# Altium PCB GameBoard_V1I1.PcbDoc (part 15 of 22)
Units mil, origin at the board's own origin, x right, y up, seen from the top; angles counter-clockwise.
Board outline 7165.35 x 2814.96 mil, 12 copper layers (L1, L2, L3, L4, L5 (PWR), L6 (PWR), L7 (PWR), L8 (PWR), L9, L10, L11, L12), stack 61.575 mil thick; 1551 components, 1072 nets, 5467 pads, 3785 vias.
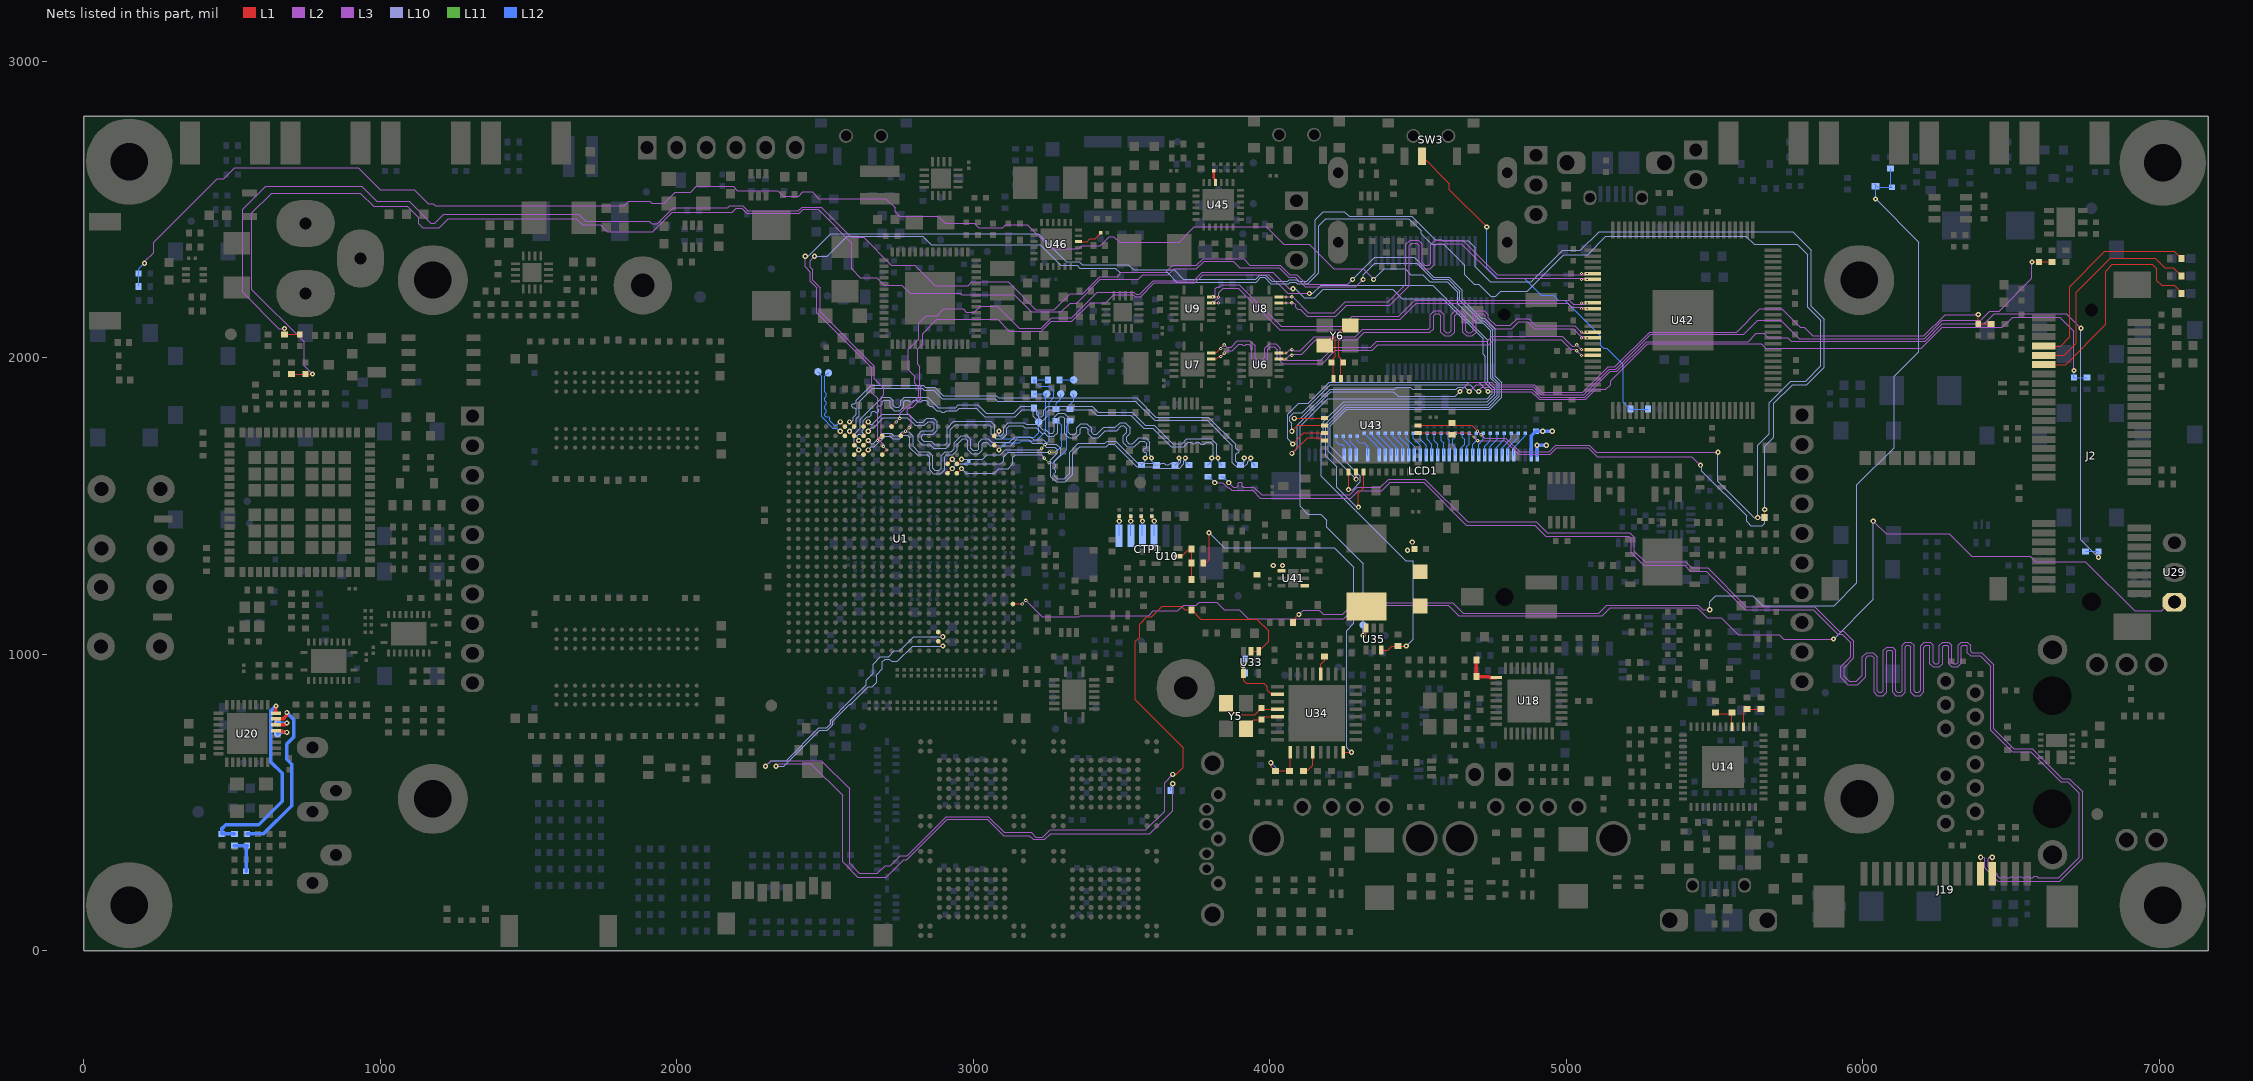
[diagram p25: the nets of this part, all layers, seen from the top]

## Via types
v1: diameter 17.72, hole 7.87, L1 to L12, 1935 vias
v2: diameter 17.72, hole 7.87, L1 to L12, tented both sides, 995 vias
v3: diameter 10.63, hole 3.94, L1 to L2, 334 vias
v4: diameter 11.81, hole 3.94, L2 to L3, 334 vias
v5: diameter 10.63, hole 3.94, L11 to L12, 94 vias
v6: diameter 11.81, hole 3.94, L10 to L11, 93 vias

## Nets (pads, with @x,y where several pads share a name; then routed paths per layer and width w, separated by ;. In a path a pad name is that pad's centre, name@x,y a point inside that pad or via, vN(x,y) a via of type N, cw(c..) or ccw(c..) an arc to the next point about the centre after c; other vN are vias at no path point) (continued)
I2C3_SCL: R64.1 R577.1 U1.R4 U43.16 | length 7148.1
  L1 w3.15: U1.R4@2692.91,1673.23 v3(2708.66,1688.98) ; U43.16@4500,1746.06 4675.2,1746.06 v3(4688.98,1732.28) ; R577.1@5669.29,1460.63 v1(5669.29,1488.19)
  L3 w3.15: v2(2433.07,2342.52) 2433.07,2306.1 2450.58,2288.6 2450.58,2258.08 2471.95,2236.71 2471.95,2151.29 2657.48,1965.76 2657.48,1882.1 2677.17,1862.41 2677.17,1727.39 2696.85,1707.71 v4(2696.85,1700.79) ; v4(4700.79,1720.47) 4793.31,1720.47 4839.57,1674.21 4945.87,1674.21 4968.5,1696.85 5074.96,1696.85 5105.47,1666.34 5424.21,1666.34 v1(5452.76,1637.8)
  L10 w3.15: v2(2433.07,2342.52) 2443.69,2342.52 2519.48,2418.31 3219.49,2418.31 3313.98,2323.82 3357.28,2323.82 3367.13,2313.98 3523.62,2313.98 3541.34,2296.26 3677.17,2296.26 3708.66,2264.76 3953.22,2264.76 3967,2278.54 3985.75,2278.54 4006.42,2257.87 4061.18,2257.87 4066.1,2262.8 4091.38,2262.8 4096.3,2257.87 4125.21,2257.87 4154.14,2286.8 4154.14,2465.16 4181.11,2492.13 4251.96,2492.13 4267.72,2476.38 4479.12,2476.38 4557.86,2397.64 4578.74,2397.64 4582.68,2393.7 4669.29,2393.7 4692.91,2370.08 4692.91,2307.09 4744.09,2255.91 4882.41,2255.91 4988.71,2362.2 5047.61,2362.2 5110.6,2425.2 5763.78,2425.2 5826.77,2362.2 5826.77,2173.23 5870.08,2129.92 5870.08,1968.5 5811.02,1909.45 5763.78,1909.45 5700.79,1846.46 5700.79,1732.28 5669.29,1700.79 v1(5669.29,1488.19) 5669.29,1440.94 5661.42,1433.07 5623.24,1433.07 5608.48,1447.83 5608.48,1466.33 5457.68,1617.13 5457.68,1632.87 v1(5452.76,1637.8)
  L2 w3.15: v4(2696.85,1700.79) v3(2708.66,1688.98) ; v3(4688.98,1732.28) v4(4700.79,1720.47)
I2C3_SDA: R63.1 R576.1 U1.R2 U43.17 | length 7042.5
  L1 w3.15: v3(2677.17,1720.47) U1.R2@2692.91,1736.22 ; U43.17@4500,1771.65 4681.1,1771.65 v3(4700.79,1751.97)
  L3 w3.15: v2(2464.57,2342.52) 2449.8,2327.76 2449.8,2304.91 2458.45,2296.26 2458.45,2261.35 2483.27,2236.53 2483.27,2154.53 2666.34,1971.46 2666.34,1928.15 2697.83,1896.65 2697.83,1875 2688.98,1866.14 v4(2688.98,1732.28) ; v4(4712.6,1740.16) 4724.41,1728.35 4796.57,1728.35 4842.83,1682.09 4942.45,1682.09 4965.09,1704.72 5078.22,1704.72 5101.84,1681.1 v1(5511.81,1681.1)
  L10 w3.15: v2(2464.57,2342.52) 2507.87,2342.52 2574.8,2409.45 2829.72,2409.45 2858.27,2380.91 3225.39,2380.91 3295.28,2311.02 3351.07,2311.02 3359.93,2302.17 3479.33,2302.17 3494.09,2287.4 3653.54,2287.4 3686.02,2254.92 3954.51,2254.92 3970.26,2270.67 3982.49,2270.67 4003.16,2250 4064.44,2250 4069.36,2254.92 4088.12,2254.92 4093.04,2250 4128.47,2250 4165.35,2286.88 4165.35,2444.88 4188.98,2468.5 4469.7,2468.5 4510.83,2427.38 4510.83,2418.31 4547.24,2381.89 4586.61,2381.89 4657.48,2311.02 4657.48,2280.2 4689.65,2248.03 4704.72,2248.03 4745.29,2207.47 4762.59,2207.47 4778.54,2223.43 4867.8,2223.43 4991.97,2347.6 5072.01,2347.6 5133.86,2409.45 5606.3,2409.45 5633.86,2381.89 5779.53,2381.89 5813.98,2347.44 5813.98,2170.28 5858.27,2125.98 5858.27,1972.44 5807.09,1921.26 5757.87,1921.26 5685.04,1848.43 5685.04,1744.09 5645.67,1704.72 v1(5645.67,1460.63) 5633.86,1460.63 5511.81,1582.68 v1(5511.81,1681.1)
  L2 w3.15: v3(2677.17,1720.47) v4(2688.98,1732.28) ; v3(4700.79,1751.97) v4(4712.6,1740.16)
  L12 w3.15: v1(5645.67,1460.63) R576.1@5669.29,1460.63
ILIM1: R470.2 U45.10 | length 43.2
  L1 w7.87: R470.2@3811.02,2631.3 3811.02,2606.3 3816.93,2600.39 U45.10@3816.93,2590.55
ILIM2: R492.2 U46.10 | length 88.4
  L1 w3.15: U46.10@3354.33,2391.73 3383.86,2391.73 3393.7,2401.57 3410.83,2401.57 R492.2@3430.51,2421.26
IR_RCV: U1.A20 U29.1 | length 4522.8
  L1 w3.15: U1.A20@3133.86,1169.29 v3(3165.35,1169.29)
  L3 w3.15: v4(3177.17,1181.1) 3232.28,1125.98 3356.36,1125.98 3360.29,1129.92 3425.87,1129.92 3592.02,1129.92 3607.77,1145.67 3689.49,1145.67 3709.18,1165.35 3751.97,1165.35 3761.79,1175.18 3821.56,1175.18 3847.13,1149.61 3896.44,1149.61 3926.96,1119.09 4249.69,1119.09 4295.95,1165.35 4602.36,1165.35 4637.8,1129.92 5122.05,1129.92 5148.62,1156.5 5441.73,1156.5 5476.18,1122.05 5523.62,1122.05 5580.11,1065.56 5706.1,1065.56 5706.48,1065.94 5718.71,1065.94 5733.48,1051.18 v1(5901.57,1051.18) ; v1(6035.43,1448.82) 6078.74,1405.51 6291.34,1405.51 6367.13,1329.72 6565.17,1329.72 6582.89,1312.01 6750.98,1312.01 6917.32,1145.67 7009.45,1145.67 U29.1@7039.37,1175.59
  L10 w3.15: v1(5901.57,1051.18) 6035.43,1185.04 v1(6035.43,1448.82)
  L2 w3.15: v3(3165.35,1169.29) v4(3177.17,1181.1)
JTAG_MOD: R103.2 U1.H6 | length 87.7
  L1 w3.15: U1.H6@2913.39,1610.24 v2(2929.13,1625.98)
  L12 w3.15: v2(2929.13,1625.98) 2944.88,1641.73 2975,1641.73 R103.2@2984.25,1650.98
JTAG_nTRST: R104.1 TP4.1 U1.C2 | length 273.3
  L1 w3.15: U1.C2@3070.87,1736.22 v1(3086.61,1751.97)
  L12 w3.15: v1(3086.61,1751.97) 3086.61,1739.39 3100,1726 3144.72,1726 3151,1732.28 3205.92,1732.28 3220.47,1746.84 TP4.1@3220.47,1783.46 3220.47,1814.96 R104.1@3204.72,1830.71
JTAG_TCK: R111.2 TP7.1 | length 59.3
  L12 w3.15: R111.2@3279.53,1826.77 3279.53,1846.46 3295.28,1862.2 3295.28,1874.02 TP7.1@3291.34,1877.95
JTAG_TCK_R: R111.1 U1.H5 | length 522.7
  L1 w3.15: U1.H5@2913.39,1641.73 v2(2929.13,1657.48)
  L10 w3.15: v2(2929.13,1657.48) 2943.9,1642.72 3092.73,1642.72 3102.36,1652.35 3102.36,1665.35 3118.11,1681.1 v6(3256.89,1681.1)
  L11 w3.15: v6(3256.89,1681.1) v5(3278.61,1681.1)
  L12 w3.15: v5(3278.61,1681.1) 3299.21,1701.7 3299.21,1771.65 R111.1@3283.46,1787.4
JTAG_TDI: R109.2 TP5.1 | length 47.2
  L12 w3.15: R109.2@3291.34,1925.2 TP5.1@3338.58,1925.2
JTAG_TDI_R: R105.1 R109.1 U1.G5 | length 650.6
  L1 w3.15: U1.G5@2944.88,1641.73 v2(2960.63,1657.48)
  L10 w3.15: v2(2960.63,1657.48) 3031.5,1657.48 3047.24,1673.23 3091.74,1673.23 3107.49,1688.98 3224.41,1688.98 v6(3230.32,1694.88)
  L11 w3.15: v6(3230.32,1694.88) v5(3243.11,1707.68)
  L12 w3.15: v5(3243.11,1707.68) 3255.91,1720.47 3255.91,1850.39 3271.65,1866.14 3271.65,1888.78 3256.89,1903.54 3221.46,1903.54 3204.72,1920.28 R105.1@3204.72,1925.2 R109.1@3251.97,1925.2
JTAG_TDO: R67.2 TP8.1 | length 57.7
  L12 w3.15: R67.2@3326.77,1826.77 3326.77,1842.52 3338.58,1854.33 3338.58,1874.02 TP8.1@3334.65,1877.95
JTAG_TDO_R: R67.1 U1.G6 | length 554.8
  L1 w3.15: U1.G6@2944.88,1610.24 v2(2960.63,1625.98)
  L10 w3.15: v2(2960.63,1625.98) 2976.38,1610.24 3070.87,1610.24 3086.61,1625.98 3118.11,1625.98 3133.86,1641.73 3133.86,1663.39 3142.72,1672.24 3229.33,1672.24 v6(3240.16,1661.42)
  L11 w3.15: v6(3240.16,1661.42) v5(3255.91,1645.67)
  L12 w3.15: v5(3255.91,1645.67) 3270.67,1645.67 3314.96,1689.96 3314.96,1771.65 R67.1@3330.71,1787.4
JTAG_TMS: R106.1 TP6.1 U1.C3 | length 376.8
  L1 w3.15: U1.C3@3070.87,1704.73 v1(3086.61,1688.98)
  L12 w3.15: v1(3086.61,1688.98) 3110.64,1713 3156,1713 3163.47,1720.47 3212.6,1720.47 3244.09,1751.97 3244.09,1874.02 TP6.1@3248.03,1877.95 R106.1@3204.72,1877.95
LCD_B0: LCD1.21 R331.2 | length 84
  L12 w3.15: R331.2@4484.25,1745.47 4484.25,1728.35 4507.87,1704.72 LCD1.21@4507.87,1671.26
LCD_B1: LCD1.22 R332.2 | length 85.6
  L12 w3.15: R332.2@4460.63,1745.47 4460.63,1728.35 4488.19,1700.79 LCD1.22@4488.19,1671.26
LCD_B2: LCD1.23 R333.2 | length 87.3
  L12 w3.15: R333.2@4437.01,1745.47 4437.01,1732.28 4468.5,1700.79 LCD1.23@4468.5,1671.26
LCD_B3: LCD1.24 R334.2 | length 88.9
  L12 w3.15: R334.2@4413.39,1745.47 4413.39,1736.22 4448.82,1700.79 LCD1.24@4448.82,1671.26
LCD_B4: LCD1.25 R335.2 | length 90.5
  L12 w3.15: R335.2@4389.76,1745.47 4389.76,1736.22 4429.13,1696.85 LCD1.25@4429.13,1671.26
LCD_B5: LCD1.26 R336.2 | length 92.2
  L12 w3.15: R336.2@4366.14,1745.47 4366.14,1736.22 4409.45,1692.91 LCD1.26@4409.45,1671.26
LCD_B6: LCD1.27 R337.2 | length 93.8
  L12 w3.15: R337.2@4342.52,1745.47 4342.52,1740.16 4389.76,1692.91 LCD1.27@4389.76,1671.26
LCD_B7: LCD1.28 R338.2 | length 95.4
  L12 w3.15: R338.2@4318.9,1745.47 4370.08,1694.29 LCD1.28@4370.08,1671.26
LCD_CTP_INT#: CTP1.5 R365.1 R371.2 | length 83.5
  L1 w3.15: v1(3531.5,1448.82) R365.1@3531.5,1465.94
  L12 w3.15: CTP1.5@3531.5,1399.61 v1(3531.5,1448.82) R371.2@3531.5,1465.94
LCD_CTP_RST#: CTP1.6 R372.2 R373.2 | length 83.5
  L1 w3.15: v1(3492.13,1448.82) R373.2@3492.13,1465.94
  L12 w3.15: CTP1.6@3492.13,1399.61 3492.13,1455.51 R372.2@3492.13,1465.94
LCD_CTP_SCL: CTP1.3 R367.1 R369.2 | length 96.7
  L1 w3.15: R367.1@3602.36,1465.94 3602.36,1456.69 v1(3610.24,1448.82)
  L12 w3.15: R369.2@3602.36,1465.94 3602.36,1456.69 v1(3610.24,1448.82) ; CTP1.3@3610.24,1399.61 v1(3610.24,1448.82) ; v1@3610.24,1455.51 v1(3610.24,1448.82)
LCD_CTP_SDA: CTP1.4 R366.1 R370.2 | length 93.4
  L1 w3.15: R366.1@3566.93,1465.94 3566.93,1452.76 v1(3570.87,1448.82)
  L12 w3.15: R370.2@3566.93,1465.94 3566.93,1452.76 v1(3570.87,1448.82) ; CTP1.4@3570.87,1399.61 v1(3570.87,1448.82) ; v1@3570.87,1455.51 v1(3570.87,1448.82)
LCD_DE: LCD1.34 R361.2 | length 82.1
  L12 w3.15: R361.2@4224.41,1735.04 4224.41,1716.54 4232.28,1708.66 4244.09,1708.66 4251.97,1700.79 LCD1.34@4251.97,1671.26
LCD_G0: LCD1.13 R339.2 | length 77.5
  L12 w3.15: LCD1.13@4665.35,1671.26 4665.35,1700.79 4673.23,1708.66 R339.2@4673.23,1745.47
LCD_G1: LCD1.14 R340.2 | length 82.4
  L12 w3.15: LCD1.14@4645.67,1671.26 4645.67,1695.87 4657.48,1707.68 4657.48,1724.41 4649.61,1732.28 R340.2@4649.61,1745.47
LCD_G2: LCD1.15 R341.2 | length 80.7
  L12 w3.15: LCD1.15@4625.98,1671.26 4625.98,1696.85 4618.11,1704.72 4618.11,1724.41 4625.98,1732.28 R341.2@4625.98,1745.47
LCD_G3: LCD1.16 R343.2 | length 75.8
  L12 w3.15: R343.2@4602.36,1745.47 4602.36,1724.41 4606.3,1720.47 LCD1.16@4606.3,1671.26
LCD_G4: LCD1.17 R344.2 | length 77.5
  L12 w3.15: R344.2@4578.74,1745.47 4578.74,1720.47 4586.61,1712.6 LCD1.17@4586.61,1671.26
LCD_G5: LCD1.18 R346.2 | length 79.1
  L12 w3.15: R346.2@4555.12,1745.47 4555.12,1720.47 4566.93,1708.66 LCD1.18@4566.93,1671.26
LCD_G6: LCD1.19 R347.2 | length 80.7
  L12 w3.15: R347.2@4531.5,1745.47 4531.5,1724.41 4547.24,1708.66 LCD1.19@4547.24,1671.26
LCD_G7: LCD1.20 R349.2 | length 82.4
  L12 w3.15: R349.2@4507.87,1745.47 4507.87,1724.41 4527.56,1704.72 LCD1.20@4527.56,1671.26
LCD_HDMI_CLK_N: U7.12 U42.94 | length 1497.8
  L1 w3.35: U7.12@3803.15,1996.06 3819.88,1996.06 3827.76,2003.94 v3(3834.65,2003.94) ; v3(5051.18,2007.87) U42.94@5089.57,2007.87
  L3 w3.35: v4(3846.46,2015.75) 3854.72,2024.02 3874.04,2024.02 3895.7,2045.67 3905.51,2045.67 3908.86,2042.32 3916.93,2042.32 3920.28,2045.67 3928.74,2045.67 3939.37,2035.04 3939.37,1996.09 3956.72,1978.74 3976.35,1978.74 3994,1996.38 3994,2027.88 4002.28,2036.16 4016,2036.16 4024.61,2027.56 4024.61,1999.02 4043.31,1980.31 4177.01,1980.31 4221.05,2024.35 4345.22,2024.35 4364.96,2044.09 4738.04,2044.09 4754.96,2061.02 4982.44,2061.02 5015.51,2027.95 5029.24,2027.95 5033.57,2023.62 v4(5035.43,2023.62)
  L2 w3.15: v3(3834.65,2003.94) v4(3846.46,2015.75) ; v4(5035.43,2023.62) v3(5051.18,2007.87)
LCD_HDMI_CLK_P: U7.13 U42.93 | length 1498.3
  L1 w3.35: U7.13@3803.15,2015.75 3805.12,2017.72 3820.87,2017.72 v3(3834.65,2031.5) ; v3(5051.18,2027.56) U42.93@5089.57,2027.56
  L3 w3.35: v4(3846.46,2043.31) 3854.72,2035.04 3869.48,2035.04 3891.13,2056.69 3933.31,2056.69 3950.39,2039.61 3950.39,2000.65 3961.28,1989.76 3971.79,1989.76 3982.97,2000.95 3982.97,2032.44 3997.72,2047.19 4020.57,2047.19 4035.63,2032.13 4035.63,2003.58 4047.87,1991.34 4172.44,1991.34 4216.48,2035.38 4340.66,2035.38 4360.4,2055.12 4733.47,2055.12 4750.4,2072.05 4987.01,2072.05 5020.08,2038.98 5029.24,2038.98 5033.57,2043.31 v4(5035.43,2043.31)
  L2 w3.15: v3(3834.65,2031.5) v4(3846.46,2043.31) ; v4(5035.43,2043.31) v3(5051.18,2027.56)
LCD_HDMI_D0_N: U6.12 U42.91 | length 1496.8
  L1 w3.35: U6.12@4031.5,1996.06 v3(4055.12,1996.06) ; v3(5051.18,2066.93) U42.91@5089.57,2066.93
  L3 w3.35: v4(4074.8,2007.87) 4076.66,2007.87 4081,2012.2 4107.81,2012.2 4155.45,2059.84 4293.11,2059.84 4318.31,2085.04 4539.35,2085.04 4552.76,2098.45 4552.76,2141.08 4559.71,2148.03 4570.21,2148.03 4577.17,2141.08 4577.17,2086.64 4590.57,2073.23 4610.21,2073.23 4623.62,2086.64 4623.62,2141.08 4630.57,2148.03 4643.36,2148.03 4650.31,2141.08 4650.31,2086.64 4663.72,2073.23 4683.36,2073.23 4696.77,2086.64 4696.77,2141.08 4703.72,2148.03 4719.82,2148.03 4726.77,2141.08 4726.77,2128.54 4757.48,2097.83 4816.6,2097.83 4839.53,2120.77 4869.81,2120.77 4891.07,2099.51 4893.33,2097.24 5023.98,2097.24 5049.57,2071.65 5066.14,2071.65 v4(5070.87,2066.93)
  L2 w3.15: v3(4055.12,1996.06) 4066.93,2007.87 v4(4074.8,2007.87) ; v3(5051.18,2066.93) v4(5070.87,2066.93)
LCD_HDMI_D0_P: U6.13 U42.90 | length 1496.5
  L1 w3.35: U6.13@4031.5,2015.75 v3(4055.12,2015.75) ; v3(5051.18,2086.61) U42.90@5089.57,2086.61
  L3 w3.35: v4(4074.8,2027.56) 4076.67,2027.56 4081,2023.23 4103.24,2023.23 4150.88,2070.87 4288.54,2070.87 4313.74,2096.06 4534.78,2096.06 4541.73,2103.01 4541.73,2145.64 4555.14,2159.05 4574.78,2159.05 4588.19,2145.64 4588.19,2091.2 4595.14,2084.25 4605.65,2084.25 4612.6,2091.2 4612.6,2145.64 4626.01,2159.05 4647.92,2159.05 4661.33,2145.64 4661.33,2091.2 4668.28,2084.25 4678.79,2084.25 4685.74,2091.2 4685.74,2145.64 4699.15,2159.05 4724.39,2159.05 4737.8,2145.64 4737.8,2133.11 4762.05,2108.86 4812.03,2108.86 4834.96,2131.79 4874.37,2131.79 4897.9,2108.27 5028.54,2108.27 5054.13,2082.68 5066.93,2082.68 v4(5070.87,2086.61)
  L2 w3.15: v3(4055.12,2015.75) 4066.93,2027.56 v4(4074.8,2027.56) ; v3(5051.18,2086.61) v4(5070.87,2086.61)
LCD_HDMI_D1_N: U9.12 U42.86 | length 1497.4
  L1 w3.35: U9.12@3803.15,2185.04 v3(3826.77,2185.04) ; v3(5051.18,2165.35) U42.86@5089.57,2165.35
  L3 w3.35: v4(3807.09,2185.04) 3808.82,2185.04 3827.36,2203.58 3827.36,2219.51 3842.79,2234.94 3893.43,2234.94 4033.88,2094.49 4249.02,2094.49 4283.66,2129.13 4440.16,2129.13 4494.19,2183.17 5005.81,2183.17 5019.29,2169.69 5064.67,2169.69 5069,2165.35 v4(5070.87,2165.35)
  L2 w3.15: v4(3807.09,2185.04) v3(3826.77,2185.04) ; v3(5051.18,2165.35) v4(5070.87,2165.35)
LCD_HDMI_D1_P: U9.13 U42.85 | length 1495.5
  L1 w3.35: U9.13@3803.15,2204.72 v3(3826.77,2204.72) ; v3(5051.18,2185.04) U42.85@5089.57,2185.04
  L3 w3.35: v4(3807.09,2204.72) 3816.34,2213.98 3816.34,2232.68 3820.87,2237.2 3829.47,2237.2 3838.23,2245.96 3897.99,2245.96 4038.45,2105.51 4244.45,2105.51 4279.1,2140.16 4435.59,2140.16 4489.63,2194.19 5010.37,2194.19 5023.86,2180.71 5064.67,2180.71 5069,2185.04 v4(5070.87,2185.04)
  L2 w3.15: v4(3807.09,2204.72) v3(3826.77,2204.72) ; v3(5051.18,2185.04) v4(5070.87,2185.04)
LCD_HDMI_D2_N: U8.12 U42.81 | length 1494.7
  L1 w3.35: U8.12@4031.5,2185.04 v3(4055.12,2185.04) ; v3(5051.18,2263.78) U42.81@5089.57,2263.78
  L3 w3.35: v4(4074.8,2185.04) 4076.02,2183.82 4082.34,2183.82 4088.3,2177.87 4088.3,2170.56 4095.05,2163.8 4102.36,2163.8 4126.01,2140.16 4222.84,2140.16 4259.84,2177.17 4404.37,2177.17 4470.08,2242.87 4470.08,2377.72 4478.19,2385.83 4496.06,2385.83 4503.94,2377.95 4503.94,2314.96 4518.41,2300.49 4540.65,2300.49 4554.33,2314.17 4554.33,2376.18 4562.99,2384.84 4646.65,2384.84 4763.39,2268.11 5064.67,2268.11 5069,2263.78 v4(5070.87,2263.78)
  L2 w3.15: v3(4055.12,2185.04) v4(4074.8,2185.04) ; v3(5051.18,2263.78) v4(5070.87,2263.78)
LCD_HDMI_D2_P: U8.13 U42.80 | length 1494
  L1 w3.35: U8.13@4031.5,2204.72 v3(4055.12,2204.72) ; v3(5051.18,2283.46) U42.80@5089.57,2283.46
  L3 w3.35: v4(4074.8,2204.72) 4077.03,2204.72 4130.57,2151.18 4218.27,2151.18 4255.28,2188.19 4399.8,2188.19 4459.06,2247.44 4459.06,2382.28 4473.62,2396.85 4500.63,2396.85 4514.96,2382.52 4514.96,2319.53 4522.97,2311.52 4536.08,2311.52 4543.31,2318.74 4543.31,2380.75 4558.43,2395.87 4651.22,2395.87 4767.95,2279.13 5064.67,2279.13 5069,2283.46 v4(5070.87,2283.46)
  L2 w3.15: v3(4055.12,2204.72) v4(4074.8,2204.72) ; v3(5051.18,2283.46) v4(5070.87,2283.46)
LCD_HSYNC: LCD1.32 R363.2 | length 71.9
  L12 w3.15: R363.2@4271.65,1735.04 4271.65,1716.54 4291.34,1696.85 LCD1.32@4291.34,1671.26
LCD_PCLK: LCD1.30 R362.2 | length 87.7
  L12 w3.15: R362.2@4295.28,1735.04 4295.28,1720.47 4303.15,1712.6 4318.9,1712.6 4330.71,1700.79 LCD1.30@4330.71,1671.26
LCD_R0: LCD1.5 R352.2 | length 90.5
  L12 w3.15: LCD1.5@4822.83,1671.26 4822.83,1696.85 4862.21,1736.22 R352.2@4862.21,1745.47
LCD_R1: LCD1.6 R354.2 | length 88.9
  L12 w3.15: LCD1.6@4803.15,1671.26 4803.15,1696.85 4838.58,1732.28 R354.2@4838.58,1745.47
LCD_R2: LCD1.7 R355.2 | length 87.3
  L12 w3.15: LCD1.7@4783.46,1671.26 4783.46,1696.85 4814.96,1728.35 R355.2@4814.96,1745.47
LCD_R3: LCD1.8 R356.2 | length 85.6
  L12 w3.15: LCD1.8@4763.78,1671.26 4763.78,1696.85 4791.34,1724.41 R356.2@4791.34,1745.47
LCD_R4: LCD1.9 R357.2 | length 84
  L12 w3.15: LCD1.9@4744.09,1671.26 4744.09,1700.79 4767.72,1724.41 R357.2@4767.72,1745.47
LCD_R5: LCD1.10 R358.2 | length 82.4
  L12 w3.15: LCD1.10@4724.41,1671.26 4724.41,1700.79 4744.1,1720.47 R358.2@4744.1,1745.47
LCD_R6: LCD1.11 R359.2 | length 80.7
  L12 w3.15: LCD1.11@4704.72,1671.26 4704.72,1708.66 4720.47,1724.41 R359.2@4720.47,1745.47
LCD_R7: LCD1.12 R360.2 | length 79.1
  L12 w3.15: LCD1.12@4685.04,1671.26 4685.04,1708.66 4696.85,1720.47 R360.2@4696.85,1745.47
LCD_SHUTOFF#: R348.1 R589.1 SW3.2 | length 1298.9
  L1 w3.15: SW3.2@4513.78,2679.13 4606.3,2586.61 4606.3,2566.93 v1(4732.28,2440.94)
  L12 w3.15: v1(4732.28,2440.94) 4732.28,2303.15 4767.72,2267.72 4858.27,2267.72 4916.13,2209.86 4956.69,2209.86 4972.36,2194.19 4994.78,2194.19 5117.13,2071.85 5117.13,2041.13 5125.77,2032.48 5136.81,2032.48 5192.91,1976.38 5192.91,1850.39 R589.1@5216.54,1826.77 R348.1@5275.59,1826.77
LCD_VSYNC: LCD1.33 R364.2 | length 73.6
  L12 w3.15: R364.2@4248.03,1735.04 4248.03,1724.41 4271.65,1700.79 LCD1.33@4271.65,1671.26
LCD_XTALIN: C393.2 U43.32 Y6.3 | length 209.1
  L1 w3.15: U43.32@4240.16,1929.13 4240.16,1996.06 4232.28,2003.94 4232.28,2086.61 4253.94,2108.27 Y6.3@4271.65,2108.27
LCD_XTALOUT: C394.2 U43.33 Y6.1 | length 193
  L1 w3.15: Y6.1@4185.04,2041.34 4185.04,2047.24 4208.66,2070.87 4216.54,2070.87 4220.47,2066.93 4220.47,2003.94 4214.57,1998.03 U43.33@4214.57,1929.13
LED1: R121.1 R133.1 U14.17 | length 99.2
  L1 w3.15: R133.1@5503.94,799.21 5559.06,799.21 U14.17@5559.06,755.12
LED2: R120.1 R140.2 U14.15 | length 112
  L1 w3.15: U14.15@5598.43,755.12 5598.43,803.15 R120.1@5610.24,814.96 R140.2@5657.48,814.96
LED_A: C361.1 C362.1 D27.1 LCD1.2 | length 142.3
  L12 w11.81: LCD1.2@4881.89,1671.26 4881.89,1736.22 C362.1@4897.64,1751.97 v1(4921.26,1751.97) v1(4952.76,1751.97)
  other v1: 4464.57,1350.39 4480.31,1377.95
LED_K: LCD1.1 R328.2 U41.1 | length 65
  L12 w11.81: LCD1.1@4901.57,1671.26 v1(4901.57,1704.72) v1(4933.07,1704.72)
  other v1: 4011.81,1299.21 4043.31,1299.21
LED_MPCIE_WLAN: J2.44 R155.1 | length 725.5
  L1 w3.15: J2.44@6610.24,2007.87 6679.13,2007.87 6720.47,2049.21 6720.47,2220.47 6835.63,2335.63 6986.22,2335.63 7018.7,2303.15 7047.24,2303.15 R155.1@7074.8,2275.59
LED_MPCIE_WPAN: J2.46 R156.1 | length 705.6
  L1 w3.15: J2.46@6610.24,2039.37 6667.32,2039.37 6697.83,2069.88 6697.83,2239.17 6816.93,2358.27 7051.18,2358.27 R156.1@7074.8,2334.65
LED_MPCIE_WWAN: J2.42 R154.1 | length 776.5
  L1 w3.15: J2.42@6610.24,1976.38 6684.06,1976.38 6819.88,2112.2 6819.88,2292.32 6842.52,2314.96 6976.38,2314.96 6992.13,2299.21 6992.13,2259.84 7007.87,2244.09 7051.18,2244.09 7074.8,2220.47 R154.1@7074.8,2216.54
LED_SW: D27.2 L10.2 U41.4
"LOCAL_PWR / NON_REM0": R190.2 R194.2 U18.28 | length 124.3
  L1 w11.81: R190.2@4696.85,980.31 R194.2@4696.85,925.2 4696.85,924.21 4740.03,924.21 4742.98,921.26 U18.28@4763.78,921.26
LVDS0_CLK_N: R462.1 U1.V4 | length 1652.7
  L1 w3.35: U1.V4@2598.43,1673.23 v2(2614.17,1688.98)
  L10 w3.35: v2(2614.17,1688.98) 2614.17,1692.6 2597.81,1708.96 2597.81,1741.51 2618.11,1761.81 2618.11,1791.96 2693.57,1867.42 2718.76,1867.42 2730.6,1855.58 2730.6,1839.83 2737.55,1832.88 2748.05,1832.88 2755.01,1839.83 2755.01,1855.58 2766.85,1867.42 2845.8,1867.42 2881.23,1831.99 2940.48,1831.99 2948.94,1840.45 3015.43,1840.45 3043.28,1812.6 3137.14,1812.6 3160.76,1836.22 3201.44,1836.22 3214.17,1823.49 3214.17,1807.74 3221.13,1800.79 3231.63,1800.79 3238.58,1807.74 3238.58,1823.49 3251.32,1836.22 3401.55,1836.22 3421.24,1816.54 3536.08,1816.54 3579.69,1772.93 3610.51,1772.93 3673.2,1710.24 3704.75,1710.24 3720.5,1725.98 3803.13,1725.98 3820.47,1708.64 3820.47,1670.56 3825.79,1665.25 v1(3825.79,1661.42)
  L12 w3.35: v1(3825.79,1661.42) 3825.79,1650.59 R462.1@3838.58,1637.8
LVDS0_CLK_P: R464.1 U1.V3 | length 1652.2
  L1 w3.35: U1.V3@2598.43,1704.73 v2(2614.17,1720.47)
  L10 w3.35: v2(2614.17,1720.47) 2614.17,1724.28 2608.83,1729.62 2608.83,1736.94 2614.01,1742.13 2618.11,1742.13 2622.05,1738.19 2625.98,1738.19 2628.94,1741.14 2628.94,1745.08 2625,1749.02 2625,1753.11 2629.13,1757.24 2629.13,1787.39 2641.94,1800.2 2649.61,1800.2 2655.51,1806.1 2655.51,1813.77 2661.62,1819.88 2667.32,1819.88 2672.24,1814.96 2677.17,1814.96 2681.1,1818.9 2681.1,1823.82 2676.18,1828.74 2676.18,1834.44 2680.12,1838.38 2687.79,1838.38 2692.91,1843.5 2692.91,1851.17 2698.14,1856.4 2714.19,1856.4 2719.57,1851.01 2719.57,1835.27 2732.98,1821.86 2752.62,1821.86 2766.03,1835.27 2766.03,1851.01 2771.41,1856.4 2780.51,1856.4 2785.53,1851.38 2794.19,1851.38 2799.21,1856.4 2810.04,1856.4 2815.06,1851.38 2824.7,1851.38 2829.72,1856.4 2841.23,1856.4 2847.44,1850.19 2847.44,1841.54 2852.57,1836.41 2861.22,1836.41 2876.66,1820.96 2888.78,1820.96 2893.8,1815.94 2903.54,1815.94 2908.56,1820.96 2945.04,1820.96 2953.51,1829.43 3010.86,1829.43 3038.72,1801.58 3141.71,1801.58 3165.33,1825.2 3196.87,1825.2 3203.15,1818.92 3203.15,1803.17 3216.56,1789.76 3236.2,1789.76 3249.61,1803.17 3249.61,1818.92 3255.88,1825.2 3396.99,1825.2 3416.67,1805.51 3531.52,1805.51 3575.12,1761.91 3605.94,1761.91 3668.64,1699.21 3709.31,1699.21 3725.06,1714.96 3734.25,1714.96 3739.57,1709.65 3746.65,1709.65 3751.97,1714.96 3760.83,1714.96 3767.13,1708.66 3779.53,1708.66 3785.83,1714.96 3798.56,1714.96 3809.45,1704.07 3809.45,1670.56 3804.13,1665.25 v1(3804.13,1661.42)